# KiCad board access-controller.kicad_pcb (continued)
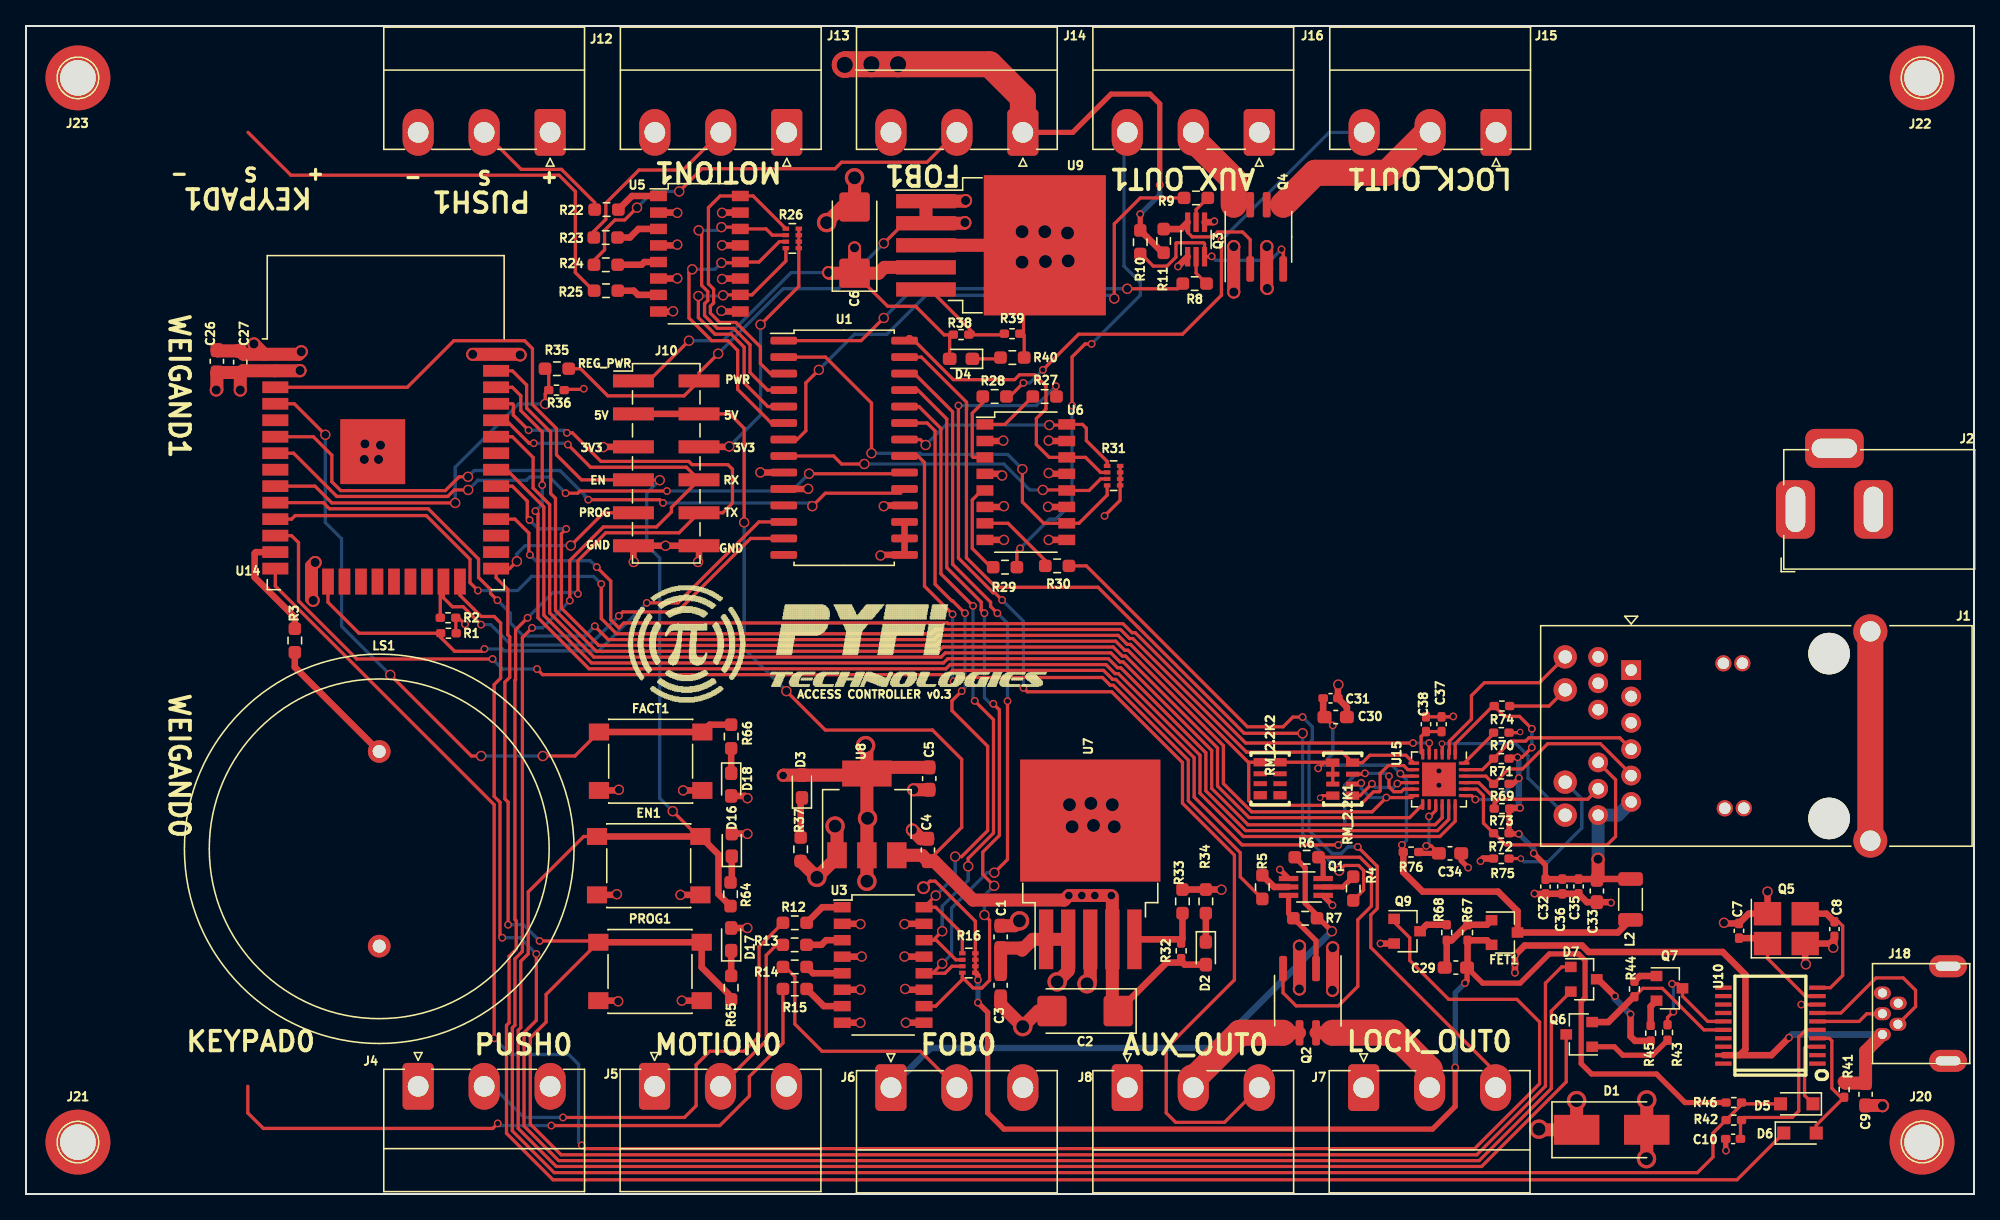
[diagram p0: board, top side]
## Nets (continued)
Net-(U14-Pad22): U14.22
Net-(U14-Pad32): U14.32
Net-(U15-Pad4): U15.4
Net-(U15-Pad14): U15.14

Pads without a net: RM_2.2K2 2.1 2.2 3.1 3.2 4.1 4.2; U10 1 2 18

## Via types
v1: diameter 1, hole 0.7, Top to Bottom, 30 vias
v2: diameter 1.5, hole 1, Top to Bottom, 27 vias
v3: diameter 0.6, hole 0.4, Top to Bottom, 115 vias
v4: diameter 0.8, hole 0.6, Top to Bottom, 102 vias
v5: diameter 0.5, hole 0.35, Top to Bottom, 4 vias
v6: diameter 2, hole 1.25, Top to Bottom, 3 vias

## Routing (per net, layer and track width the routed paths; a pad name or vN(x,y) marks a point on that pad's centre or on a via; arc(x,y) is an arc through that point)
+3V3: length 172.8
  Top w0.25: v1(69.11,23.61) 69.61,24.11 70.02,24.11 73.1,21.02 R16.8 R16.7 R16.6 R16.5 ; R31.8 R31.7 R31.6 R31.5 84.25,53.45 v3(83.05,52.25) ; R26.8 R26.7 R26.6 59.51,69.93 v4(56.56,66.99) ; v3(33.8,43.9) 33.3,44.4 R2.2 33.1,43.24 R1.2
  Top w0.4: v3(110.8,16.25) 110.96,16.41 C29.1 112.16,16.25 115.05,16.25 117.3,18.5 119.55,18.5 120.05,18 120.05,15.13 119.75,14.83 119.75,10.05 120.55,9.25 125.55,9.25 127.75,7.05 R46.2 ; v3(110.05,9.75) 110.05,6.75 108.3,5 75.3,5 74.05,6.25 74.05,14 v3(73.3,14.75) ; R16.5 73.3,16.85 v3(73.3,16.5)
  Top w0.5: v4(56.55,55.6) 56.55,55.59 U1.9 ; v4(55.55,30.5) 55.37,30.67 D18.2 ; J10.6 54.12,57.57 v4(54.15,57.6) ; v4(44.45,57.55) 44.47,57.57 J10.5 ; D17.2 v4(55.55,20.5) ; C29.1 111,17.49 R67.2 112.5,19.55 FET1.2 ; v4(55.55,27.75) 55.52,27.78 D16.2 ; v4(66.05,53) 66.11,53.06 U1.18
  Top w1: v1(14.65,61.95) 14.7,62 C26.1 16.44,63.3 C27.1 ; C5.1 65.23,32.88 U8.2 ; v2(64.65,34.55) 64.75,34.45 U8.2 ; v2(64.75,24.1) U8.2 64.75,28.9 v2(64.8,28.95) 64.75,29 U8.2 ; U8.2 64.62,32.28 D3.2 58.33,32.28 v4(58.3,32.25) ; C27.1 16.69,63.43 U14.2 21.08,63.43 v1(21.1,63.45) ; C27.1 v1(16.5,61.95)
  Bottom w0.25: v4(56.56,66.99) 56.56,60.01 v4(54.15,57.6)
  Bottom w0.4: v3(110.05,9.75) 110.05,15.5 v3(110.8,16.25) ; v3(73.3,14.75) v3(73.3,16.5)
/5V: length 136.4
  Top w0.25: C4.1 72.05,28.25 72.05,33.5 69.8,35.75 61.55,35.75 v4(58.55,38.75) ; v4(55.3,51.75) 55.3,59 54.19,60.11 J10.4
  Top w0.5: v3(114.65,17.05) v3(114.65,17.75) v3(114.65,18.4) 115.4,19.15 119.82,19.15 120.32,18.65 130.65,18.65 132.4,16.9 132.4,11.15 131.95,10.7 ; J10.3 J10.4 ; C2.1 87.84,17.84 89.05,17.84 89.21,17.67 D2.2 ; 81.05,23 v4(81.3,23) ; 83.65,22.92 v4(83.58,23) ; U10.19 134.4,10.7 v3(135.75,12.05)
  Top w1: R41.1 140.1,8.55 C9.1 141.65,11 J18.1 ; 81.05,23 v4(80.3,23) 79.95,22.65 72.93,22.65 69.92,25.65 C4.1 69,26.1 U8.3 ; v4(83.58,23) v4(82.3,23) v4(81.3,23) ; 83.65,22.92 U7.4 83.65,14.55 C2.1
  Bottom w0.25: v4(58.55,38.75) 55.3,42 v4(55.3,51.75)
  Bottom w0.5: v3(135.75,12.05) 135.99,12.29 J18.1
/Ethernet/3V3_LAN: length 49.4
  Top w0.25: v3(105.95,26.9) 106.05,26.8 R76.2 ; 100.63,33.24 RM_2.2K1.3.2 RM_2.2K1.2.2 ; 100.63,33.24 99.94,33.24 v3(99.5,32.8) ; 100.63,33.24 100.59,33.27 RM_2.2K2.1.2 ; v3(100.63,36.11) C30.1 ; U15.9 106.02,32.2 v3(105.83,32.39)
  Top w0.5: R76.2 106.05,24.8 107.55,23.3 113.35,23.3 114.85,21.8 FET1.3 122.58,20.15 L2.1 ; C30.1 99.88,36.86 C31.2
  Bottom w0.25: v3(100.63,36.11) 100.63,33.93 v3(99.5,32.8) ; 99.75,33.05 105.17,33.05 v3(105.83,32.39) 106.3,31.92 106.3,27.25 v3(105.95,26.9)
/Ethernet/VDDCR: length 3.2
  Top w0.25: U15.6 107.42,34.01 107.42,35.26 C38.2 C37.1
GND: length 195.8
  Top w0.25: C38.1 C37.2 109.87,36.77 v3(109.9,36.8) ; R70.2 115,35.55 v5(115.05,35.6) ; U14.39 26.7,57.05 v1(27.15,56.6) ; U14.39 v1(26.1,57.8) ; U14.39 26.65,57.2 v1(26.05,56.6) ; U14.39 26.8,57.2 v1(27.3,57.7) ; R40.2 76.86,66.15 76.81,66.2 76.81,71.46 U9.3 ; v5(99.65,30.53) 99.82,30.7 RM_2.2K1.1.2 ; 41.76,62 42.9,62 v3(42.95,62.05) ; U10.8 v3(136.7,14.6) ; v3(108.8,32.6) v3(108.8,31.5)
  Top w0.4: Q1.4 97.22,24.33 v3(96.55,25) ; C34.1 110.51,25.69 v3(111.05,25.15) ; Q1.1 99.88,22.97 v3(100.6,22.25) ; C10.2 130.88,3.37 v3(130.9,3.35)
  Top w0.5: U3.9 v4(67.75,13.2) ; v3(88.71,71.47) 88.71,71.48 Q3.1 ; v4(130.75,20.9) 130.8,20.85 C7.2 132.65,21.6 Q5.4 v4(134.1,23.3) ; EN1.2 45.45,23.05 v4(45.5,23.1) ; v4(50.15,70.55) 50.14,70.54 U5.6 ; PROG1.2 v4(50.5,14.9) ; C30.2 101.71,37.5 C31.1 101.02,39.22 v4(101.05,39.25) ; v4(65.8,49.2) 65.84,49.25 U1.15 U1.16 U1.17 ; U1.10 60.22,54.33 v4(60.23,54.34) ; v4(67.7,15.8) 67.76,15.74 U3.11 ; v4(67.65,18.3) 67.66,18.29 U3.13 ; v4(67.65,20.8) 67.67,20.82 U3.15 ; U5.9 53.6,68 v4(53.55,68.05) ; R33.2 R34.2 92.04,23.46 v4(92.05,23.45) ; U6.15 78.78,58.02 v4(78.75,58.05) ; U5.2 50.13,75.62 v4(50.15,75.6) ; v4(45.6,14.85) 45.55,14.9 PROG1.2 ; v3(116.15,23.15) 116.18,23.12 C32.1 117.01,23.13 C36.1 C35.1 120.2,22.49 C33.2 122.01,22.49 v3(122.05,22.45) ; U5.15 53.62,75.62 v4(53.6,75.6) ; FACT1.2 v4(50.6,31.1) ; R75.2 112.2,25.85 v3(112,25.65) ; C8.2 139.25,19.07 v4(139.16,18.98) ; v4(45.65,31.15) 45.6,31.1 FACT1.2 ; U3.2 64.23,20.82 v4(64.25,20.8) ; v4(50.15,73.15) 50.09,73.09 U5.4 ; Q9.2 v3(104.3,19.3) ; U3.8 v4(64.25,13.2) ; U5.11 53.64,70.54 v4(53.6,70.5) ; v4(51.75,48.7) 51.83,48.78 J10.12 v4(49.25,49.95) J10.11 46.77,48.72 v4(46.8,48.7) ; U6.2 75.22,58.02 v4(75.25,58.05) ; U3.4 64.34,18.29 v4(64.35,18.3) ; U3.6 64.24,15.74 v4(64.25,15.75) ; v3(91.5,74.95) 91.43,74.88 Q3.4 ; EN1.2 v4(50.4,23.05) ; v4(78.7,52.95) 78.71,52.94 U6.11 ; v4(78.75,55.55) 78.81,55.49 U6.13 ; v4(137.05,17.7) 137,17.75 Q5.2 138.9,19.3 139.25,19.65 ; U6.8 v4(75.3,50.4) ; U6.4 75.03,55.49 v4(75.16,55.36) ; v4(49.82,68.02) 49.81,68 U5.8 ; v4(75.3,53) 75.24,52.94 U6.6 ; v4(53.6,73.1) 53.61,73.09 U5.13 ; U6.9 v4(78.75,50.4)
  Top w1: C4.2 68.92,27.38 v1(68.25,28.05) ; C26.2 14.76,64.96 C27.2 16.76,64.7 21,64.7 v1(21.2,64.9) ; U9.3 78.45,71.9 v2(78.5,71.85) ; U9.3 79.05,73.1 v2(80.25,71.9) ; U9.3 79.25,73.1 v2(80.2,74.05) ; U9.3 77.75,73.1 v2(76.7,74.15) ; U9.3 U9.3 ; U9.3 v2(78.45,74.15) ; U9.3 78,73.1 v2(76.7,71.8) ; v1(38.05,64.65) 38,64.7 U14.38 v1(34.4,64.7) ; v2(82,30.1) 81.95,30.05 U7.3 81.95,28.5 82.25,28.2 ; U7.3 81.95,16.45 v2(81.7,16.2) ; C9.2 142.93,6.83 v1(142.95,6.8) ; 82.67,28.78 83.7,29.8 ; v2(124.8,7.25) D1.2 124.8,2.75 v2(124.78,2.73) ; C5.2 v1(68.35,31.15) ; C2.2 77.95,14.1 v2(76.75,12.9) 75.05,14.6 75.05,15.22 ; 83.45,28.15 82.83,28.78 81.02,28.78 v2(80.55,28.3) ; v1(95.58,69.78) 95.54,69.82 95.54,72.98 v1(95.55,73) ; v1(22.27,48.66) 21.98,48.38 U14.15 21.98,45.87 v1(22.11,45.74) ; v1(98.05,15.8) 98.06,15.81 98.06,19.08 v1(98.05,19.1) ; v2(62.3,28.35) 62.45,28.2 U8.1 62.45,25.95 v2(60.9,24.4) R37.2 ; v2(61.65,74.85) 62.85,76.05 C6.2 v2(63.8,78.3) ; v1(93,69.5) 92.99,69.5 Q4.1 92.99,73 v1(93,73) ; v1(100.62,18.98) 100.61,18.96 Q2.1 100.61,15.7 v1(100.6,15.7) ; 81.58,28.78 v2(80.35,30) ; v2(76.5,21.05) 76.12,20.67 C1.2 ; 18.35,64.7 v1(17.55,65.5)
  vias: v2(82.2,28.4) v2(83.65,30) v2(83.8,28.3)
/AUX_CONTROL0: length 66.3
  Top w0.25: U1.27 68.95,64.48 72.43,61.01 72.43,60.45 72.41,60.44 72.41,49.02 74.66,46.78 74.81,46.78 74.84,46.75 82.55,46.75 85.6,43.7 93.8,35.5 v4(98.3,35.5) ; v4(101.12,24.92) 101.52,25.32 102.62,25.32 103,24.93 103,23.43 R4.2
  Bottom w0.25: v4(101.12,24.92) 98.3,27.74 v4(98.3,35.5)
/AUX_CONTROL1: length 44.3
  Top w0.25: v4(61.05,63.5) 60.05,62.5 60.05,58.81 59.37,58.13 U1.7 ; R9.2 85.8,76.75 83.8,74.75 v4(83.8,69)
  Bottom w0.25: v4(61.05,63.5) 63.8,66.25 66.3,66.25 69.3,69.25 83.55,69.25 v4(83.8,69)
/AUX_OUT0: length 10.3
  Top w1: 98.06,12.42 96.8,12.42
  Top w2: J8.2 89.88,8.83 93.48,12.42 96.8,12.42
/AUX_OUT1: length 8.1
  Top w0.5: Q4.8 Q4.7
  Top w2: J16.2 89.88,81.27 92.99,78.16 Q4.8
/AUX_SENSE0: length 24.1
  Top w0.25: U1.28 67.95,66.06 68.1,66.06 71.4,62.75 76.12,62.75 76.5,63.13 77.67,63.13 78.54,62.26 78.54,60.49 77.8,59.75 77.8,57.75 78.79,56.76 U6.14 81.59,56.76 82.75,55.6 R31.2
/AUX_SENSE1: length 26.4
  Top w0.25: v4(64.55,56.25) 62.8,56.25 62.18,56.87 U1.8 ; v4(78.3,54.25) 80.1,54.25 U6.12 81.86,54.21 82.75,55.1 R31.3
  Bottom w0.25: v4(64.55,56.25) 75.3,56.25 77.3,54.25 v4(78.3,54.25)
/AUX_STATE0: length 86.9
  Top w0.25: J8.3 92.29,5.53 88.52,5.53 87.8,6.25 87.8,11.25 93.05,16.5 93.05,26.11 89.05,30.11 89.05,33.25 83.6,38.7 77.1,38.7 v3(76.8,39) ; v3(71.8,60.75) 71.8,49 74.47,46.33 74.6,46.33 v3(75.16,45.77) ; R27.2 79.3,61.5 v3(79.3,62.25)
  Bottom w0.25: v3(71.8,60.75) 77.8,60.75 v3(79.3,62.25) ; v3(76.8,39) 76.8,44.13 v3(75.16,45.77)
/AUX_STATE1: length 38.6
  Top w0.25: v3(80.55,60.75) 80.55,64.5 81.55,65.5 v3(82.05,65.5) ; R29.2 76.3,49.5 v3(76.55,49.75)
  Bottom w0.25: v3(80.55,60.75) 80.55,53.25 79.3,52 78.8,52 v3(76.55,49.75) ; J16.3 84.55,81.55 84.55,71.5 85.8,70.25 85.8,69.25 v3(82.05,65.5)
/CT: length 44.6
  Top w0.25: v3(111.6,30.4) 111.3,30.7 U15.19 ; v3(114.85,33.65) 115.2,33.65 v3(115.95,34.4) ; v3(115.95,35.85) 115,36.8 113.85,36.8 R74.1 112.95,37.6 110.05,34.7 U15.1
  Top w0.4: C32.2 117,25.35 v3(116.1,26.25) ; R69.1 114.5,31.6 v3(114.95,32.05) ; R71.1 114.3,33.65 v3(114.85,33.65) ; v3(114.95,27.75) 114.25,27.75 R72.1 114.2,29.65 R73.1
  Top w0.5: L2.2 121.02,24.28 C33.1 120.9,24.27 C35.2 C36.2 118.29,24.26 C32.2 ; v3(115.05,29.75) 114.3,29.75 R73.1
  Top w1: C33.1 121.05,24.3 v1(121.05,25.8)
  Bottom w0.25: v3(111.6,30.4) 113.3,30.4 v3(114.95,32.05) ; v3(115.95,34.4) v3(115.95,35.85)
  Bottom w0.4: v3(114.95,27.75) 116.1,26.6 v3(116.1,26.25) ; v3(114.85,33.65) 114.95,33.55 v3(114.95,32.05)
  Bottom w0.5: v3(114.95,32.05) 114.95,29.85 v3(115.05,29.75)
  Bottom w1: J1.6 122.58,29.19 J1.12 121.06,25.81 v1(121.05,25.8)
/EMAC_CLK_OUT: length 82.9
  Top w0.25: U15.5 v3(108.05,34.75) ; v3(106.8,34.75) 93.91,34.75 85.41,43.25 85.16,43.25 84.47,43.95 71.01,43.95 70.95,44 46.04,44 45.66,43.62 45.02,44.25 45.02,47.23 v3(43.95,48.3) ; U14.28 37.65,52 38.73,50.92 38.73,49.32 v3(38.8,49.25)
  Bottom w0.25: v3(108.05,34.75) v3(106.8,34.75) ; v3(43.95,48.3) 43.46,48.8 39.25,48.8 v3(38.8,49.25)
/EMAC_RX_CRS_DV: length 109
  Top w0.25: v3(103.1,32.41) 103.04,32.35 RM_2.2K1.3.1 ; v3(39.35,40.45) 39.78,40.02 71.02,40.02 71.35,40.35 82.98,40.35 83.67,39.65 83.92,39.65 89.95,33.62 89.95,30.59 93.64,26.9 v3(101.05,26.9) ; v3(35.92,41.22) 25.46,41.22 20.99,45.7 20.99,50.19 20.45,50.73 U14.12 ; v3(104.95,32.19) 104.95,31.37 105.33,31 105.9,31 106.1,31.2 U15.11
  Bottom w0.25: v3(39.35,40.45) 36.7,40.45 v3(35.92,41.22) ; v3(101.05,26.9) 101.55,27.4 101.55,31.5 102.46,32.41 v3(103.1,32.41) 104.73,32.41 v3(104.95,32.19)
/EMAC_RXD0: length 104.3
  Top w0.25: 94.15,33.14 94.15,30.31 94.51,29.95 102.71,29.95 103.76,31 104.21,31 104.27,31.06 104.27,32.4 104.89,33.02 106.09,33.02 106.4,32.7 U15.8 ; RM_2.2K2.1.1 94.12,33.27 85.04,42.35 84.79,42.35 84.09,43.05 70.23,43.05 69.9,42.72 44.83,42.72 v3(43.8,43.75) ; U14.10 22.89,53.27 23.36,52.8 30.98,52.8 34.85,48.92 34.85,47.5 35.77,46.58 35.77,46.28 v3(36.3,45.75)
  Bottom w0.25: v3(36.3,45.75) 37.3,44.75 37.3,44 38.3,43 43.05,43 v3(43.8,43.75)
/EMAC_RXD1: length 99.9
  Top w0.25: U14.11 20.45,52 20.73,52.28 30.82,52.28 34.19,48.91 34.19,47.11 v3(34.8,46.5) ; U15.7 106.26,33.81 103.48,33.81 102.91,33.24 102.15,33.24 101.34,34.05 93.98,34.05 85.23,42.8 84.98,42.8 84.28,43.5 70.04,43.5 69.71,43.17 45.47,43.17 44.3,44.34 v3(44.3,47)
  Bottom w0.25: v3(34.8,46.5) 37.85,46.5 38.94,47.59 43.71,47.59 v3(44.3,47)
/EMAC_TX_EN: length 94.7
  Top w0.25: U14.33 37.45,58.35 39.05,56.75 39.05,54.4 40.33,53.12 40.33,44.78 43.73,41.37 70.46,41.37 70.79,41.7 83.54,41.7 84.23,41 84.48,41 91.3,34.18 91.3,31.25 94.1,28.45 108.5,28.45 109.05,29 U15.16
/EMAC_TXD0: length 93.3
  Top w0.25: U15.17 109.55,28.86 108.69,28 93.91,28 90.85,31.06 90.85,34 84.3,40.55 84.05,40.55 83.35,41.25 70.97,41.25 70.65,40.92 43.55,40.92 39.88,44.59 39.88,52.94 37,55.81 U14.31
/EMAC_TXD1: length 101.6
  Top w0.25: v3(39.75,54.62) 39.75,58.72 38.1,60.37 38.1,61.51 37.45,62.16 U14.36 ; U15.18 110.05,28.73 108.87,27.55 93.73,27.55 90.4,30.88 90.4,33.81 84.11,40.1 83.86,40.1 83.16,40.8 71.16,40.8 70.83,40.47 43.36,40.47 39.43,44.4 39.43,52.42 v3(39.22,52.62)
  Bottom w0.25: v3(39.22,52.62) 39.75,53.15 v3(39.75,54.62)
/ESP_EN: length 197.1
  Top w0.25: U14.3 29.36,62.16 32.95,65.75 38.39,65.75 39,65.14 39,60.83 40.85,58.98 40.85,56.95 42.77,55.03 J10.7 46.8,55 v4(48.8,55) ; EN1.1 42.95,27.55 38.67,23.28 38.67,18.51 38.1,17.94 38.1,12.82 37.9,12.62 37.9,5.05 40.83,2.12 112.08,2.12 118.6,8.64 Q6.3 ; EN1.1 51.75,27.55 v4(49.8,29.5)
  Top w0.5: EN1.1 EN1.1 53.32,26.16 53.32,23.11 R64.1
  Bottom w0.25: v4(48.8,55) 47.8,54 47.8,50 48.8,49 48.8,30.5 v4(49.8,29.5)
/Ethernet/RBIAS: length 3.3
  Top w0.25: U15.24 113.01,35.47 R70.1
/Ethernet/RST: length 6.2
  Top w0.25: v3(107.82,26.82) 108.21,26.82 C34.2 ; v3(108.03,29.1) 108.09,29.1 108.55,29.55 U15.15
  Top w0.4: C34.2 107.35,26.25
  Bottom w0.25: v3(108.03,29.1) 108.03,27.03 v3(107.82,26.82)
/Ethernet/RXER: length 5.4
  Top w0.25: v3(103.64,31.61) 102.72,30.7 RM_2.2K1.1.1 ; U15.10 105.67,31.7 v3(105.6,31.62)
  Bottom w0.25: v3(105.6,31.62) 105.3,31.32 103.92,31.32 v3(103.64,31.61)
/FOB0: length 19.4
  Top w0.25: R14.2 58.45,17.5 59.2,16.75 59.2,13.1 61.3,11 68.88,11 J6.2
/FOB1: length 33.2
  Top w0.25: R24.2 43.74,71.94 44.55,72.75 44.55,74.25 45.35,75.05 46.1,75.05 v4(47.05,76) ; v4(50.3,77.25) 52.05,79 62.3,79 62.8,79.5 69.38,79.5 J14.2
  Bottom w0.25: v4(47.05,76) 48.3,77.25 v4(50.3,77.25)
/FOB_SENSE0: length 55.8
  Top w0.25: R16.3 71.3,17.55 70.76,17.01 U3.12 ; v3(74.8,44.75) 74.28,45.27 74.28,45.6 71.35,48.53 71.35,60.28 68.41,63.22 U1.26 ; v4(70.55,17.75) 69.81,17.01 ; v3(75.58,37.98) 75.58,25.78 v4(74.56,24.76)
  Bottom w0.25: v3(74.8,44.75) 75.58,43.97 v3(75.58,37.98) ; v4(74.56,24.76) 74,24.76 71.28,22.04 71.28,18.48 v4(70.55,17.75)
/FOB_SENSE1: length 24.4
  Top w0.25: v4(53.55,71.75) 54.94,71.75 U5.12 56.44,71.81 58.01,73.38 R26.3 ; U1.6 57.39,59.41 54.8,62 54.8,65 54.05,65.75 52.8,65.75 51.05,67.5 51.05,71 v4(51.3,71.25)
  Bottom w0.25: v4(53.55,71.75) 53.05,71.25 v4(51.3,71.25)
/INTA: length 53.7
  Top w0.25: v3(49.05,53.25) 48.8,53.5 v3(43.3,53.5) ; U1.19 67.33,54 61.55,54 v4(60.55,53) ; U14.6 22.13,58.35 23.55,56.93 23.55,54.89 24.24,54.2 32.29,54.2 33.35,55.26 v4(34.04,55.26)
  Bottom w0.25: v3(43.3,53.5) 43.05,53.75 43.05,53.82 41.12,55.75 34.52,55.75 v4(34.04,55.26) ; v4(60.55,53) 60.3,53.25 v3(49.05,53.25)
/INTB: length 51.6
  Top w0.25: U14.7 20.61,57.08 23.94,53.75 32.48,53.75 32.98,54.25 v4(34.05,54.25) ; v4(60.3,55.5) 67.55,55.5 U1.20 ; v3(41.55,54) 42.48,54 42.65,54.17 v3(49.35,54.17)
  Bottom w0.25: v4(34.05,54.25) 34.8,55 38.55,55 38.8,55.25 40.3,55.25 v3(41.55,54) ; v3(49.35,54.17) 58.97,54.17 v4(60.3,55.5)
/IO2: length 137.2
  Top w0.25: v3(39.3,18.5) 39.3,13.39 38.35,12.44 38.35,5.24 41.02,2.57 111.9,2.57 117.45,8.13 117.45,14.1 D7.2 ; U14.24 33.42,46.14 35.05,44.5 36.05,44.5 36.55,44 36.55,39.75 36.05,39.25 36.05,30.64 36.5,30.19 36.5,19.92 v3(36.68,19.75)
  Bottom w0.25: v3(39.3,18.5) 38.05,19.75 v3(36.68,19.75)
/KEYPAD0: length 51.7
  Top w0.25: v3(40.45,5.27) 53.42,5.27 55.7,7.55 55.7,9.05 58.29,11.64 R15.2 ; 17.08,8.3 17.08,6.25 18.28,5.05 35.94,5.05 v3(36.32,5.44)
  Bottom w0.25: v3(36.32,5.44) 36.49,5.27 v3(40.45,5.27)
/KEYPAD1: length 35.4
  Top w0.25: R25.2 43.7,69.6 42.3,71 42.3,77.25 41.05,78.5 20.4,78.5 17.1,81.8
/KEYPAD_SENSE0: length 49.5
  Top w0.25: U1.23 69.39,59.41 70,58.8 70,46.99 71.27,45.72 71.33,45.72 v3(72.3,44.75) ; R16.1 72.1,20.05 70.05,22.1 U3.16 v4(70.05,23) ; v4(71.55,26) 72.05,26 74.05,28 74.05,34.5 71.3,37.25 71.3,38 v3(72.05,38.75)
  Bottom w0.25: v3(72.05,38.75) 72.3,39 v3(72.3,44.75) ; v4(70.05,23) 71.55,24.5 v4(71.55,26)
/KEYPAD_SENSE1: length 24.1
  Top w0.25: R26.1 55.99,76.9 U5.16 53.45,76.9 52.55,76 52.55,70.13 52.95,69.73 52.95,68.66 52.7,68.41 52.7,67.87 53.42,67.15 54.67,67.15 56.55,65.27 56.55,63.99 57.33,63.22 U1.3
/LL_N: length 10.8
  Top w0.25: v5(115.1,25.85) R75.1
  Bottom w0.25: v5(115.1,25.85) 115.35,25.6 117.2,25.6 119.8,28.2 119.8,30.45 J1.15
/LL_P: length 13.6
  Top w0.25: v5(109.02,34.7) 109.05,34.68 U15.3
  Bottom w0.25: J1.16 115.65,32.06 115.65,33.77 114.72,34.7 v5(109.02,34.7)
/LOCK_CONTROL0: length 53.4
  Top w0.25: v3(71.42,39.5) 71.72,39.8 82.89,39.8 83.49,39.2 83.74,39.2 89.5,33.44 89.5,30.3 93.5,26.3 93.5,24.44 R5.2 ; U1.21 68.67,56.87 69.18,56.36 69.18,46.83 v3(71.35,44.67)
  Bottom w0.25: v3(71.35,44.67) 71.35,39.58 v3(71.42,39.5)
/LOCK_CONTROL1: length 32.5
  Top w0.25: R8.2 88.67,69.75 v4(84.8,69.75) ; U1.1 64.3,65.75 v4(66.05,67.5)
  Bottom w0.25: v4(84.8,69.75) 68.3,69.75 v4(66.05,67.5)
/LOCK_OUT0: length 11.3
  Top w1: 99.33,12.42 100.61,12.42
  Top w2: 100.61,12.42 105.27,12.42 108.08,9.62 J7.2
/LOCK_OUT1: length 14.9
  Top w0.5: Q4.5 95.54,76.22
  Top w2: J15.2 107.91,81.8 104.79,78.69 99.27,78.69 Q4.5
/LOCK_SENSE0: length 18.5
  Top w0.25: U1.22 68.85,58.13 v4(69.27,57.71) ; v4(78.8,59.25) 80.09,59.25 U6.16 81.35,59.3 81.65,59 81.65,58.05 83.25,56.45 R31.1
  Bottom w0.25: v4(78.8,59.25) 70.81,59.25 v4(69.27,57.71)
/LOCK_SENSE1: length 35.6
  Top w0.25: v4(76.72,55.85) 76.72,53.33 78.37,51.68 U6.10 81.08,51.68 83.25,53.85 R31.4 ; U1.2 61.56,64.48 65.1,60.95 v4(65.1,57.08)
  Bottom w0.25: v4(65.1,57.08) 68.83,57.08 68.93,56.99 75.59,56.99 v4(76.72,55.85)
/LOCK_STATE0: length 60.6
  Top w0.25: v3(102.55,26.75) 104.05,25.25 104.05,22 103.55,21.5 103.55,19 113.16,9.39 J7.3 ; v3(98.3,36.75) 97.55,36.75 96.8,36 94.05,36 81.65,48.4 R30.2
  Bottom w0.25: v3(102.55,26.75) 101.8,26.75 101.3,26.25 100.55,26.25 98.8,28 98.8,34.75 99.05,35 99.05,36 v3(98.3,36.75)
/LOCK_STATE1: length 38.5
  Top w0.25: v3(76.8,62.5) 75.75,61.45 R28.2 ; v3(92.05,73.5) 92.05,69.25 89.05,66.25 81.05,66.25 v3(78.3,63.5)
  Bottom w0.25: v3(92.05,73.5) 100.35,81.8 J15.3 ; v3(76.8,62.5) 77.3,62.5 v3(78.3,63.5)
/MDC: length 96.9
  Top w0.25: U14.37 37.45,63.43 38.55,62.33 38.55,60.55 40.4,58.7 40.4,53.98 40.78,53.6 40.78,44.96 43.92,41.82 70.27,41.82 70.6,42.15 83.72,42.15 84.42,41.45 84.67,41.45 91.75,34.37 91.75,31.44 94.19,29 106.54,29 U15.13
/MDIO: length 91.8
  Top w0.25: U15.12 106.71,30.55 105.17,30.55 v3(104.75,30.55) 103.65,29.45 94.37,29.45 92.2,31.62 92.2,34.55 84.85,41.9 84.6,41.9 83.91,42.6 70.41,42.6 70.09,42.27 44.11,42.27 41.23,45.15 41.23,50.88 v3(41.6,51.25) ; U14.30 37.45,54.54 38.6,53.39 38.6,52.1 v3(38.77,51.93) ; RM_2.2K1.2.1 102.73,31.59 v3(102.81,31.67)
  Bottom w0.25: v3(104.75,30.55) 103.51,30.55 102.81,31.25 v3(102.81,31.67) ; v3(41.6,51.25) 39.45,51.25 v3(38.77,51.93)
/Microcontroller/FACT: length 55.2
  Top w0.25: v4(39.8,33.75) 42.27,33.75 FACT1.1 ; v4(23.05,58.5) 20.66,60.89 U14.4 ; v4(35.05,33.75) 34.3,33.75 v4(28.05,40)
  Top w0.5: R66.1 52.64,36.16 FACT1.1 FACT1.1
  Bottom w0.25: v4(28.05,40) 24.3,43.75 24.3,50.5 23.05,51.75 v4(23.05,58.5) ; v4(35.05,33.75) v4(39.8,33.75)
/MOTION0: length 13.2
  Top w0.25: R13.2 57.8,19.2 57,18.4 57,11.82 J5.2
/MOTION1: length 14.1
  Top w0.25: J13.2 50.6,78.9 47.2,78.9 44.65,76.35 44.65,75.1 43.73,74.17 R23.2
/MOTION_SENSE0: length 57.6
  Top w0.25: U3.10 70.05,14.48 72.1,16.53 72.1,16.7 ; v4(73.8,21.5) 74.2,21.1 74.2,16.47 73.6,15.87 72.93,15.87 72.1,16.7 ; 72.1,16.7 R16.4 ; v3(73.8,44.75) 73.55,45 73.55,45.62 70.9,48.27 70.9,59.72 68.67,61.95 U1.25 ; v3(74.49,37.77) 74.95,37.31 74.95,27.63 73.67,26.35 73.67,24.63 v4(74.55,23.75)
  Bottom w0.25: v3(73.8,44.75) 73.8,38.25 74.28,37.77 v3(74.49,37.77) ; v4(74.55,23.75) 73.8,23 v4(73.8,21.5)
/MOTION_SENSE1: length 21.5
  Top w0.25: v4(53.68,69.25) 53.71,69.28 U5.10 55.9,69.28 58.51,71.89 R26.4 ; U1.5 57.12,60.67 55.3,62.5 55.3,65.25 54.3,66.25 53.05,66.25 51.78,67.52 v4(51.78,69.19)
  Bottom w0.25: v4(53.68,69.25) 53.62,69.19 v4(51.78,69.19)
/PHY_PWR: length 153.2
  Top w0.25: v3(42.8,3.75) 43.05,3.5 111.55,3.5 116.55,8.5 116.55,13.25 114.8,15 109.55,15 106.55,18 106.55,19.75 105.35,20.95 Q9.1 ; U14.14 19.2,46.85 36.05,30 v3(36.05,12)
  Bottom w0.25: v3(42.8,3.75) 42.55,4 42.55,10 41.8,10.75 37.3,10.75 v3(36.05,12)
/POWER: length 58.4
  Top w0.25: v4(53.3,64.75) 51.83,63.27 J10.2 50.67,61.5 44.8,61.5 42.71,63.59 R35.2 ; v4(66.05,73.25) 67.6,74.8 U9.2
  Top w1: C3.1 C1.1 76.55,18.95 76.7,18.8 77.52,19.62 U7.1 U7.2 80.25,17.2 v2(79.4,16.35) ; v1(72.3,74.85) 72.25,74.8 U9.2 U9.1 72.3,76.5 v1(72.35,76.55) ; v2(116.5,5) 116.55,4.95 D1.1 v2(119.4,7.2)
  Bottom w0.25: v4(66.05,73.25) 62.55,69.75 58.3,69.75 v4(53.3,64.75)
/PROG: length 169.7
  Top w0.25: J10.9 44.48,52.49 v4(41.95,49.96) ; v4(37.8,48.75) 37.24,48.19 U14.25 36.2,47.49 37.1,46.59 37.1,43.09 37.25,42.94 37.25,39.81 36.88,39.44 36.88,30.45 37.13,30.2 v3(37.13,20.75) ; D7.1 118.25,17.5 117,16.25 117,8.31 111.71,3.02 41.2,3.02 38.83,5.39 38.83,12.03 40.05,13.25 40.05,15.38 PROG1.1 ; 43.95,19.4 PROG1.1 ; PROG1.1 43.97,19.5 v3(39.55,19.5)
  Top w0.5: R65.1 54.3,15.2 52.03,17.47 PROG1.1 PROG1.1
  Bottom w0.25: v3(37.13,20.75) 38.3,20.75 v3(39.55,19.5) ; v4(37.8,48.75) 37.8,49.32 38.45,49.96 v4(41.95,49.96)
/PUSH0: length 36.1
  Top w0.25: v3(41.35,5.9) 50.7,5.9 51.6,6.8 51.6,9.95 52.65,11 55.3,11 56.45,12.15 56.45,19.06 R12.2
  Bottom w0.25: J4.2 35.95,8.3 38.35,5.9 v3(41.35,5.9)
/PUSH1: length 11.3
  Top w0.25: R22.2 43.79,76.4 41.24,78.95 38.13,78.95 J12.2
/PUSH_SENSE0: length 50.1
  Top w0.25: v3(73.05,38) 74.5,36.55 74.5,27.81 72.55,25.86 v4(72.55,25.25) ; U3.14 70.09,19.56 71.6,18.05 R16.2 ; v3(72.93,45.32) 70.45,47.79 70.45,58.99 68.76,60.67 U1.24 ; v4(70.55,20.25) 69.86,19.56
  Bottom w0.25: v4(70.55,20.25) 70.55,22.18 72.55,24.18 v4(72.55,25.25) ; v3(72.93,45.32) 72.93,38.12 v3(73.05,38)
/PUSH_SENSE1: length 23.8
  Top w0.25: v4(51.8,74.25) 52.03,74.02 52.03,70.01 52.5,69.54 52.5,68.84 52.25,68.59 52.25,67.69 53.24,66.7 54.49,66.7 55.75,65.44 55.75,63.3 57.11,61.95 U1.4 ; v4(53.55,74.5) 54.86,74.5 U5.14 56.99,74.36 57.47,73.88 R26.2
  Bottom w0.25: v4(53.55,74.5) 53.3,74.25 v4(51.8,74.25)
/PWR_SENSE: length 29
  Top w0.25: v4(33.05,53.25) 23.55,53.25 22.26,54.54 U14.9 ; v4(39.98,60.87) 39.98,61.67 R36.2 40.25,63.3 R35.1
  Bottom w0.25: v4(39.98,60.87) 37.92,60.87 33.05,56 v4(33.05,53.25)
/RD+: length 14.2
  Top w0.25: J1.4 122.72,35.15 115.73,35.15 115.48,34.9 114.36,34.9 R71.2 112.15,32.7 U15.23
/RD-: length 15.5
  Top w0.25: U15.22 112.4,32.2 R69.2 114.15,32.75 115.23,32.75 117.18,34.7 121.23,34.7 123.6,32.33 J1.5
/REG_POWER: length 127.6
  Top w0.25: J10.1 47.95,62.65 v4(51.05,65.75) ; D4.2 71.12,66.2 70.7,66.2 68.5,68.4 66.35,68.4 C6.1
  Top w0.4: v4(100.55,20.25) 99.55,21.25 R7.2 99.41,21.49 98.5,22.4 98.5,25.15 R6.2 ; v3(87.3,77.75) 87.3,84 86.55,84.75 83.55,84.75 80.6,81.8 J14.1 ; v3(85.8,75.5) R10.2
  Top w0.5: R10.2 87.52,72.53 R11.2
  Top w1: C6.1 61.85,70.95 v1(61.8,71) ; C6.1 65.65,70.95 66.1,71.4 U9.4 ; C6.1 v1(63.8,72.9)
  Top w2: v6(63.05,87) 63.1,87.05 v6(65.1,87.05) v6(67.15,87.05) 74.2,87.05 76.76,84.49 J14.1
  Bottom w0.25: v4(51.05,65.75) 53.66,65.75 58.91,71 v1(61.8,71)
  Bottom w0.4: v3(85.8,75.5) 87.3,77 v3(87.3,77.75)
  Bottom w0.5: J6.1 69.65,11.25 91.55,11.25 v4(100.55,20.25)
/RL_N: length 13.7
  Top w0.25: J1.13 116.53,39.4 112.3,39.4 111.3,38.4 111.3,36.59 109.6,34.89 109.6,33.94 U15.2
/RL_P: length 4.8
  Top w0.25: R74.2 117.27,37.6 J1.14
/RXD: length 178.9
  Top w0.25: v3(41.88,45.72) 41.88,48.82 44.46,51.4 48.55,51.4 49.7,52.55 49.7,52.91 J10.8 50.86,56 43.47,56 v3(41.73,57.75) ; v3(38.97,43.63) 38.22,42.88 38.22,18.7 37.65,18.12 37.65,13.01 37.45,12.81 37.45,4.87 40.67,1.65 128.7,1.65 129.9,2.85 129.9,4.69 R42.2 132.1,6.89 R46.1 132.2,6.95 D5.2 ; v3(39.1,57.85) 38.74,57.85 36.97,59.62 U14.34
  Bottom w0.25: v3(39.1,57.85) 41.62,57.85 v3(41.73,57.75) ; v3(41.88,45.72) 39.78,43.63 v3(38.97,43.63)
/SCL: length 42.7
  Top w0.25: U1.12 56.43,51.78 50.2,45.55 v3(47.8,45.55) ; U14.16 23.26,45.59 25.64,43.21 R1.1 31.93,42.89 33.01,41.82 35.12,41.82 v3(35.3,42)
  Bottom w0.25: v3(35.3,42) 36.67,42 36.82,41.85 44.1,41.85 v3(47.8,45.55)
/SDA: length 35.3
  Top w0.25: v3(45.65,44.55) 45.95,44.85 50.14,44.85 55.8,50.52 U1.13 ; v3(35.04,43.88) 33.66,45.25 32.83,45.25 32.14,45.94 U14.23 31.9,46.95 R2.1
  Bottom w0.25: v3(45.65,44.55) 43.4,42.3 37.36,42.3 35.79,43.88 v3(35.04,43.88)
/SPEAKER: length 8.7
  Top w0.5: U14.13 17.7,49.46 17.61,49.37 17.61,47.52 20.7,44.43 R3.2
/TD+: length 12.1
  Top w0.25: 113.05,30.06 113.42,30.42 120.25,30.42 J1.11 ; R73.2 113.05,30.51 111.86,31.7 U15.21
/TD-: length 21.2
  Top w0.25: U15.20 111.73,31.2 112.23,30.7 112.23,28.58 R72.2 113.05,27.8 113.95,26.9 121.75,26.9 122.4,27.55 122.4,31.92 J1.10
/TXD: length 186.2
  Top w0.25: D6.1 131.75,1.1 40.58,1.1 37,4.68 37,13 37.2,13.2 37.2,18.31 37.75,18.86 37.75,21.05 37.65,21.15 37.65,39.58 37.7,39.63 37.7,43.48 v3(38.62,44.4) ; v3(38.7,58.85) 37.53,60.02 37.53,60.81 37.45,60.89 U14.35 ; v3(42.5,46.25) 42.5,48.8 44.65,50.95 50.28,50.95 J10.10 53.65,52.49 54.4,53.24 54.4,55.85 54.05,56.2 51.29,56.2 51.04,56.45 44.27,56.45 42.07,58.65 v3(41.65,58.65)
  Bottom w0.25: v3(38.62,44.4) 40.57,46.35 42.4,46.35 v3(42.5,46.25) ; v3(41.65,58.65) 41.45,58.85 v3(38.7,58.85)
/USB/D+: length 5.3
  Top w0.25: J18.3 141.74,13.89 141.15,13.3 U10.6
/USB/D-: length 12.3
  Top w0.25: J18.2 145.5,14.44 145.5,15.7 144.55,16.65 142.45,16.65 139.75,13.95 U10.7
/USB/D_Com: length 7.2
  Top w0.5: R45.1 123.9,11.8 123.55,12.15 v3(123.55,13.85) ; v3(122.35,15.25) 121.05,16.55 D7.3
  Bottom w0.5: v3(122.35,15.25) 122.35,15.05 v3(123.55,13.85)
Earth: length 16.1
  Top w2: J1.SH J1.SH
Net-(C7-Pad1): length 8.6
  Top w0.25: Q5.1 134.1,18.15 137,15.25 U10.9
  Top w0.5: Q5.1 133.69,19.72 C7.1
Net-(C8-Pad1): length 9.4
  Top w0.25: C8.1 139.56,20.98 139.89,20.66 139.89,16.84 138.95,15.9 U10.10
  Top w0.5: C8.1 138.63,21.6 Q5.3
Net-(C10-Pad1): length 13.5
  Top w0.25: C10.1 132.02,5.62 R42.1 132.3,5.9 136,5.9 136.5,6.4 136.5,12.1 137.05,12.65 U10.5
Net-(C29-Pad2): length 6.3
  Top w0.5: FET1.1 112.5,20.75 R67.1 110.97,20.75 109.78,19.55 R68.1 109.4,17.61 C29.2
Net-(D2-Pad1): length 2.2
  Top w0.5: R34.1 D2.1
Net-(D3-Pad1): length 3.1
  Top w0.5: D3.1 59.65,30.42 R37.1
Net-(D4-Pad1): length 2.2
  Top w0.25: R40.1 74.94,64.35 D4.1
Net-(D5-Pad1): length 5.6
  Top w0.25: U10.3 137.05,11.35 136.95,11.25 136.95,7.6 D5.1
Net-(D6-Pad2): length 9.7
  Top w0.25: D6.2 137.85,5.3 R41.2 139.75,7.45 139.05,8.15 139.05,11.8 138.85,12 U10.4
Net-(D16-Pad1): length 2.1
  Top w0.5: R64.2 54.35,24.11 D16.1
Net-(D17-Pad1): length 1.9
  Top w0.5: R65.2 D17.1
Net-(D18-Pad1): length 1.9
  Top w0.5: R66.2 D18.1
Net-(LS1-Pad1): length 10.3
  Top w0.5: R3.1 20.7,40.6 LS1.1
Net-(Q1-Pad2): length 2.6
  Top w0.4: R4.1 101.41,23.66 Q1.2
Net-(Q1-Pad3): length 24.4
  Top w0.25: Q2.4 96.8,15.5 97.8,14.5 101.05,14.5 102.55,16 102.55,21.14 103.6,22.19 103.6,25.06 102.71,25.95 R6.1
  Top w0.4: R6.1 99.88,25.59 Q1.3
Net-(Q1-Pad5): length 2.4
  Top w0.5: Q1.5 96.1,23.66 R5.1
Net-(Q1-Pad6): length 6.5
  Top w0.4: Q1.6 97.22,21.62 R7.1 97.6,21.25 99.33,19.52 Q2.2
Net-(Q3-Pad2): length 2.4
  Top w0.25: Q3.2 90.1,70.95 R8.1
Net-(Q3-Pad3): length 15.7
  Top w0.25: v3(91.3,72.25) 91.27,72.22 Q3.3 90.75,73.22 90.67,73.3 88.6,73.3 88.55,73.25 88.55,72.19 87.86,71.5 86.8,71.5 85.87,72.42 R10.1 ; Q4.4 96.8,72.65 v3(96.68,72.78)
  Bottom w0.25: v3(96.68,72.78) 95.84,71.95 91.6,71.95 v3(91.3,72.25)
Net-(Q3-Pad5): length 2.2
  Top w0.25: Q3.5 90.1,75.85 R9.1
Net-(Q3-Pad6): length 10.5
  Top w0.25: Q4.2 94.27,73.54 93.68,74.13 91.75,74.13 91.37,73.75 89.8,73.75 89.45,74.1 Q3.6
  Top w0.5: Q3.6 88.92,74.35 R11.1
Net-(Q6-Pad1): length 6.5
  Top w0.4: Q6.1 122.3,11.35 122.95,10.7 125.25,10.7 R43.1
Net-(Q6-Pad2): length 12.5
  Top w0.25: U10.16 129.2,12.65 126,15.85 124.5,15.85 R44.2
  Top w0.5: Q6.2 121.84,13.25 123.79,15.2 R44.2
Net-(Q7-Pad1): length 1.9
  Top w0.5: Q7.1 124.25,16.8 R44.1
Net-(Q7-Pad2): length 2.1
  Top w0.5: 125.1,13 125.1,14.45 Q7.2
Net-(Q7-Pad3): length 8.9
  Top w0.25: v3(126.75,16.2) 127.2,16.2 Q7.3 127.55,15.25 129.5,13.3 U10.15 ; v3(126.85,14.05) 126.4,13.6 R43.2
  Bottom w0.25: v3(126.75,16.2) 126.85,16.1 v3(126.85,14.05)
Net-(Q9-Pad3): length 2.3
  Top w0.5: Q9.3 107.85,20.75 R68.2
Net-(R12-Pad1): length 3.2
  Top w0.5: R12.1 61.31,22.1 U3.1
Net-(R13-Pad1): length 2.9
  Top w0.5: R13.1 61.25,19.2 61.61,19.56 U3.3
Net-(R14-Pad1): length 2.9
  Top w0.5: R14.1 60.6,17.01 U3.5
Net-(R15-Pad1): length 3.3
  Top w0.5: U3.7 61.43,14.48 R15.1
Net-(R22-Pad1): length 3.5
  Top w0.5: R22.1 46.66,76.9 U5.1
Net-(R23-Pad1): length 3.4
  Top w0.5: U5.3 47.16,74.36 46.5,73.7 R23.1
Net-(R24-Pad1): length 3.2
  Top w0.5: U5.5 47.61,71.81 47.4,71.6 R24.1
Net-(R25-Pad1): length 3.3
  Top w0.5: U5.7 47.12,69.28 46.8,69.6 R25.1
Net-(R27-Pad1): length 4.6
  Top w0.25: U6.1 75.37,59.3 R27.1
Net-(R28-Pad1): length 6
  Top w0.25: U6.3 72.94,56.76 72.86,56.84 72.86,60.16 73.67,60.98 R28.1
Net-(R29-Pad1): length 7.2
  Top w0.25: R29.1 74.3,48.3 72.86,49.74 72.86,53.48 73.59,54.21 U6.5
Net-(R30-Pad1): length 6.2
  Top w0.25: U6.7 75.62,51.68 78.49,48.81 R30.1
Net-(R32-Pad2): length 5.7
  Top w0.5: U7.5 89.01,19.62 89.05,19.66 R33.1
Net-(R38-Pad2): length 7.2
  Top w0.25: 74.99,66.2 72.95,66.2 72.95,66.35 69.6,69.7 U9.5

## Copper pours and planes (outline as drawn; the poured copper is in the pictures)
+3V3 on In2.Cu: 97.4,46.4 97.5,30 70,29.9 69.8,14.5 14.4,14.4 14.4,64.3 58,64.5
/5V on In2.Cu: 96.9,25.45 115.25,24.4 115.4,14.65 101.3,15.5 96.3,18 78.55,18.15 73.55,14.3 73.55,20.35 72.5,25.55
GND on In1.Cu: 149.95,0.05 0.1,0.1 0.1,90 149.9,89.9
/POWER on In2.Cu: 149.45,0.9 72.2,0 72.2,11.4 78.95,17.35 95.05,17.25 100.6,13 116.25,12.95 116.5,56.25 70.1,66.35 70.1,89.55 149.3,89.75
/REG_POWER on In2.Cu: 68.95,69.09 60.6,69.16 60.4,78.1 12.9,78.5 13.2,13.6 68.65,13.55 68.75,0.45 0.4,0.2 0.3,89.6 68.95,90.01

## Text on the board
